# KiCad board mse-50-ce-panel.kicad_pcb (continued)
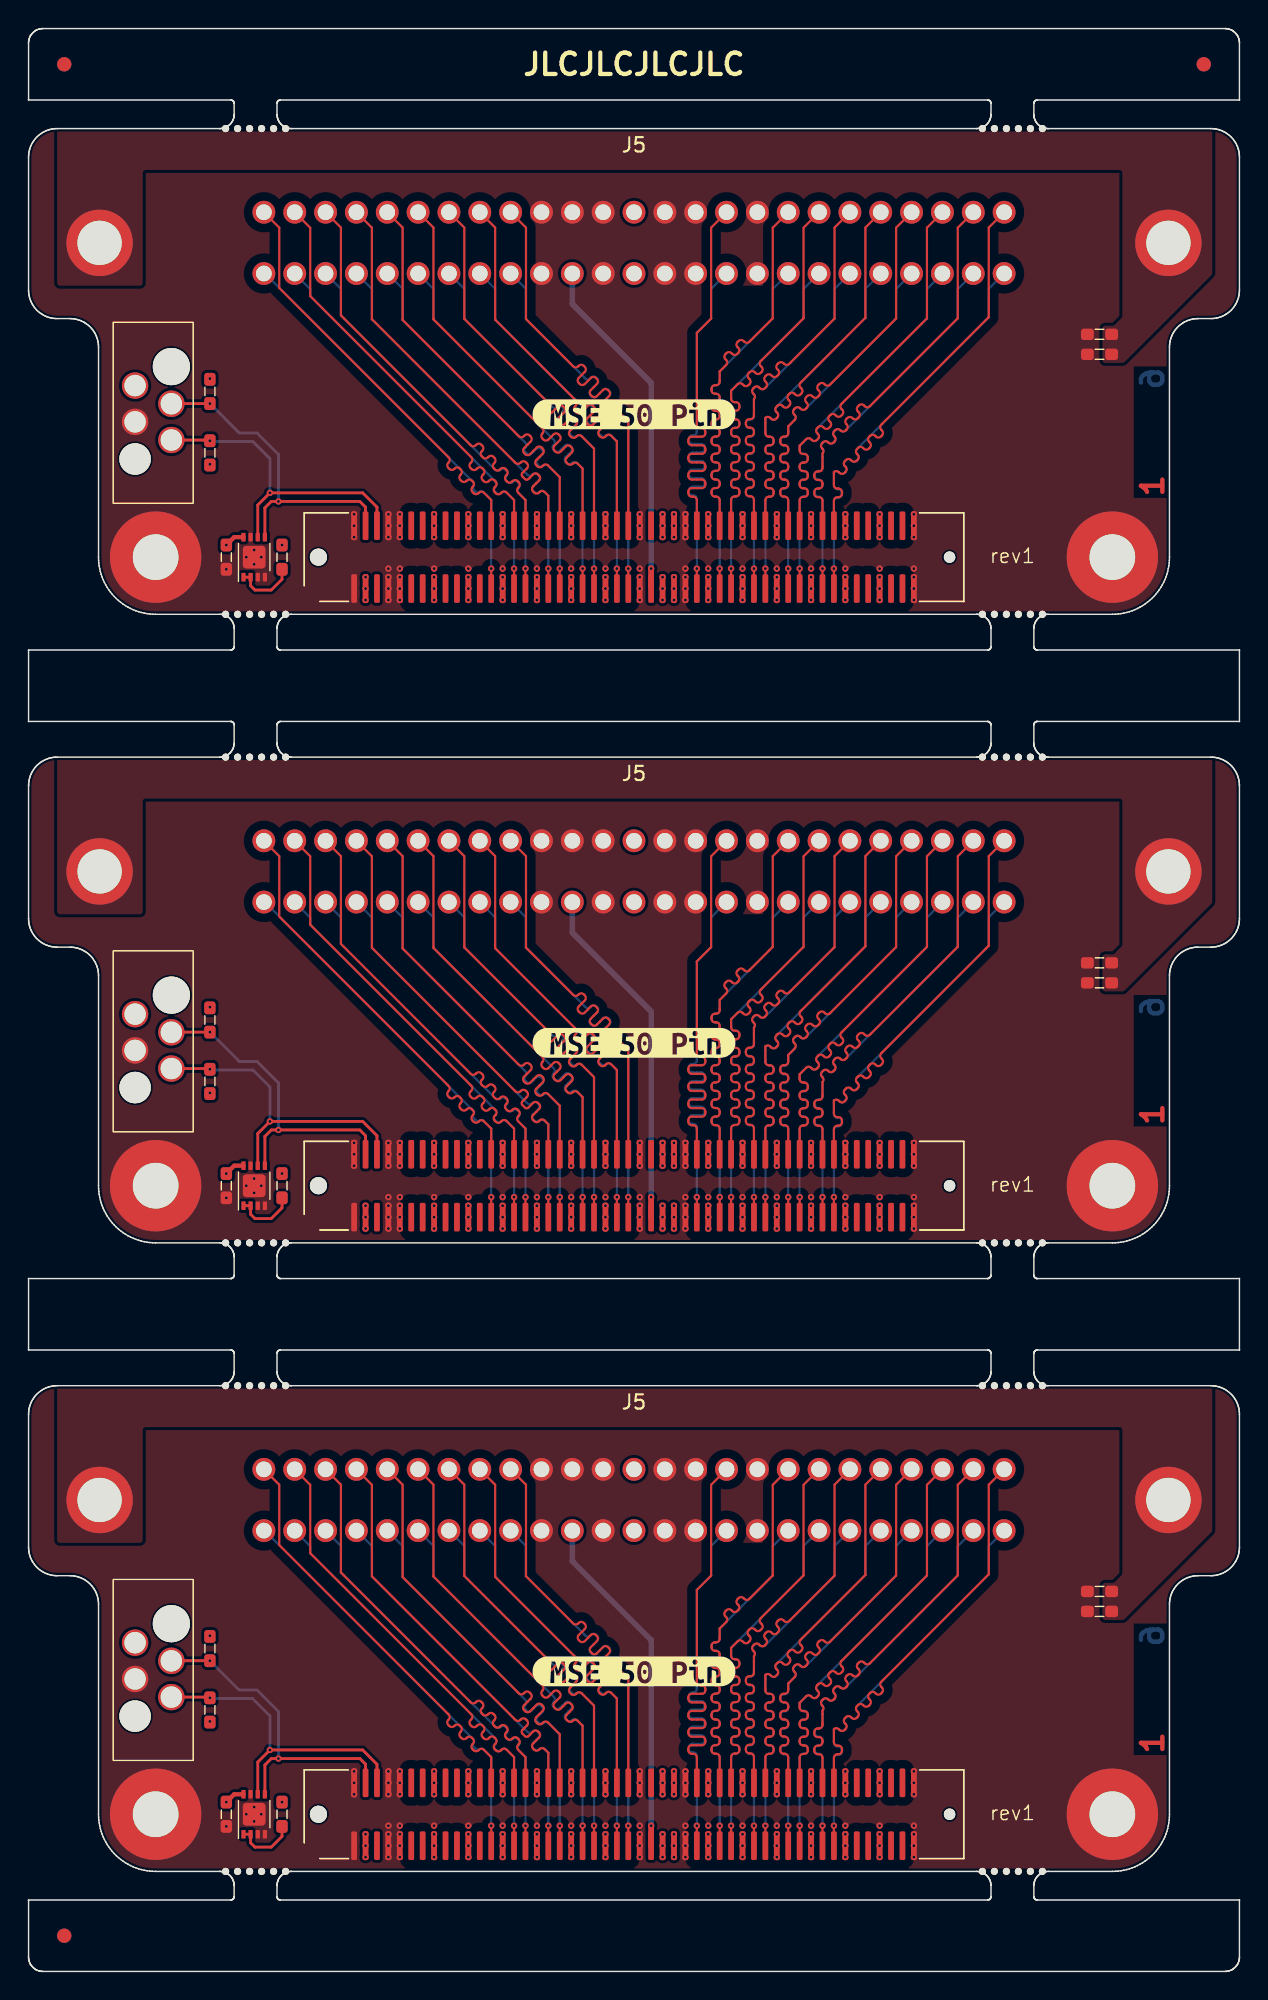
[diagram p0: board, top side]
## Routing (per net, layer and track width the routed paths; a pad name or vN(x,y) marks a point on that pad's centre or on a via; arc(x,y) is an arc through that point) (continued)
Board_1-/CON.SEL+: length 29.1
  Top w0.151: J1.77 v1(53.2,54.2)
  Bottom w0.151: J5#2.22 60.75,73.77 60.75,71.7 54.51,65.46 54.42,65.38 arc(54.25,65.3) 54.08,65.38 54.03,65.42 arc(53.86,65.49) 53.7,65.42 53.61,65.34 arc(53.54,65.17) 53.61,65 53.66,64.95 arc(53.73,64.78) 53.66,64.61 53.2,64.15 53.2,63.65 arc(53.13,63.48) 52.96,63.41 52.89,63.41 arc(52.72,63.34) 52.65,63.17 52.65,63.05 arc(52.72,62.88) 52.89,62.81 52.96,62.81 arc(53.13,62.74) 53.2,62.57 53.2,62.45 arc(53.13,62.28) 52.96,62.21 52.89,62.21 arc(52.72,62.14) 52.65,61.97 52.65,61.85 arc(52.72,61.68) 52.89,61.61 52.96,61.61 arc(53.13,61.54) 53.2,61.37 53.2,61.25 arc(53.13,61.08) 52.96,61.01 52.89,61.01 arc(52.72,60.94) 52.65,60.77 52.65,60.65 arc(52.72,60.48) 52.89,60.41 52.96,60.41 arc(53.13,60.34) 53.2,60.17 53.2,60.05 arc(53.13,59.88) 52.96,59.81 52.89,59.81 arc(52.72,59.74) 52.65,59.57 52.65,59.45 arc(52.72,59.28) 52.89,59.21 52.96,59.21 arc(53.13,59.14) 53.2,58.97 v1(53.2,54.2)
Board_1-/CON.SEL-: length 30.5
  Top w0.151: J5#2.47 60.76,78.06 60.76,71.71 56.12,67.07 arc(55.95,67) 55.78,67.07 55.72,67.13 arc(55.55,67.2) 55.38,67.13 55.3,67.04 arc(55.23,66.87) 55.3,66.71 55.36,66.65 arc(55.43,66.48) 55.36,66.31 55.27,66.22 arc(55.1,66.15) 54.93,66.22 54.88,66.28 arc(54.71,66.35) 54.54,66.28 54.45,66.2 arc(54.38,66.03) 54.45,65.86 54.51,65.8 arc(54.58,65.63) 54.51,65.46 54.42,65.38 arc(54.25,65.3) 54.08,65.38 54.03,65.43 arc(53.86,65.5) 53.69,65.43 53.6,65.35 arc(53.53,65.18) 53.6,65.01 53.66,64.95 arc(53.73,64.78) 53.66,64.61 53.2,64.15 53.2,63.68 arc(53.13,63.51) 52.96,63.44 52.88,63.44 arc(52.71,63.37) 52.64,63.2 52.64,63.08 arc(52.71,62.91) 52.88,62.84 52.96,62.84 arc(53.13,62.77) 53.2,62.6 53.2,62.48 arc(53.13,62.31) 52.96,62.24 52.88,62.24 arc(52.71,62.17) 52.64,62 52.64,61.88 arc(52.71,61.71) 52.88,61.64 52.96,61.64 arc(53.13,61.57) 53.2,61.4 53.2,61.28 arc(53.13,61.11) 52.96,61.04 52.88,61.04 arc(52.71,60.97) 52.64,60.8 52.64,60.68 arc(52.71,60.51) 52.88,60.44 52.96,60.44 arc(53.13,60.37) 53.2,60.2 53.2,60.08 arc(53.13,59.91) 52.96,59.84 52.88,59.84 arc(52.71,59.77) 52.64,59.6 52.64,59.48 arc(52.71,59.31) 52.88,59.24 52.96,59.24 arc(53.13,59.17) 53.2,59 J1.78
Board_1-/CON.TERMPWR:
  vias: v1(44.4,58) v1(44.4,57.2) v1(44.4,56.4) v1(44.4,53.6) v1(44.4,52.8) v1(44.4,52) v1(45.2,58) v1(45.2,57.2) v1(45.2,56.4) v1(45.2,53.6) v1(45.2,52.8) v1(45.2,52)
Board_1-/PHY.ID_SCL: length 22.5
  Top w0.2: U1.6 16.05,58.65 v1(16.9,59.5) 23.4,59.5 24.4,58.5 J1.6 ; J3.4 12.3,63.2 12.35,63.15 v1(12.7,63.15)
  Bottom w0.2: v1(16.9,59.5) 16.9,61.9 15.7,63.1 12.75,63.1 v1(12.7,63.15)
Board_1-/PHY.ID_SDA: length 23
  Top w0.2: J1.4 23.6,58.5 23.2,58.9 17,58.9 16.55,58.45 U1.5 ; J3.2 10.01,65.75 v1(12.7,65.75)
  Bottom w0.2: v1(17.5,58.9) 17.5,62.2 16,63.7 14.75,63.7 v1(12.7,65.75)
Board_1-GND:
  vias: v1(13.85,54.15) v1(15.25,55) v1(15.8,55.5) v1(15.8,54.5) v1(16.3,55) v1(22.8,58) v1(22.8,57.2) v1(22.8,56.4) v1(25.2,58) v1(25.2,57.2) v1(25.2,56.4) v1(25.2,54.2) v1(25.2,53.6) v1(25.2,52.8) v1(25.2,52) v1(26,58) v1(26,57.2) v1(26,56.4) v1(26,54.2) v1(26,53.6) v1(26,52.8) v1(26,52) v1(28.4,58) v1(28.4,57.2) v1(28.4,56.4) v1(28.4,54.2) v1(28.4,53.6) v1(28.4,52.8) v1(28.4,52) v1(30.8,58) v1(30.8,57.2) v1(30.8,56.4) v1(30.8,54.2) v1(30.8,53.6) v1(30.8,52.8) v1(30.8,52) v1(33.2,58) v1(33.2,57.2) v1(33.2,56.4) v1(33.2,54.2) v1(33.2,53.6) v1(33.2,52.8) v1(33.2,52) v1(35.6,58) v1(35.6,57.2) v1(35.6,56.4) v1(35.6,54.2) v1(35.6,53.6) v1(35.6,52.8) v1(35.6,52) v1(38,58) v1(38,57.2) v1(38,56.4) v1(38,54.2) v1(38,53.6) v1(38,52.8) v1(38,52) v1(40.4,58) v1(40.4,57.2) v1(40.4,56.4) v1(40.4,54.2) v1(40.4,53.6) v1(40.4,52.8) v1(40.4,52) v1(42.8,58) v1(42.8,57.2) v1(42.8,56.4) v1(42.8,54.2) v1(42.8,53.6) v1(42.8,52.8) v1(42.8,52) v1(46,58) v1(46,57.2) v1(46,56.4) v1(46,54.2) v1(46,53.6) v1(46,52.8) v1(46,52) v1(47.6,58) v1(47.6,57.2) v1(47.6,56.4) v1(47.6,54.2) v1(47.6,53.6) v1(47.6,52.8) v1(47.6,52) v1(50,58) v1(50,57.2) v1(50,56.4) v1(50,54.2) v1(50,53.6) v1(50,52.8) v1(50,52) v1(52.4,58) v1(52.4,57.2) v1(52.4,56.4) v1(52.4,54.2) v1(52.4,53.6) v1(52.4,52.8) v1(52.4,52) v1(54.8,58) v1(54.8,57.2) v1(54.8,56.4) v1(54.8,54.2) v1(54.8,53.6) v1(54.8,52.8) v1(54.8,52) v1(57.2,58) v1(57.2,57.2) v1(57.2,56.4) v1(57.2,54.2) v1(57.2,53.6) v1(57.2,52.8) v1(57.2,52) v1(59.6,58) v1(59.6,57.2) v1(59.6,56.4) v1(59.6,54.2) v1(59.6,53.6) v1(59.6,52.8) v1(59.6,52) v1(62,58) v1(62,57.2) v1(62,56.4) v1(62,54.2) v1(62,53.6) v1(62,52.8) v1(62,52)
Board_1-Net-(U1-E0): length 4.4
  Top w0.2: U1.1 U1.2 15.55,53 15.85,52.7 17,52.7 17.75,53.45 R1#3.1
Board_2-+3V3: length 1.4
  Top w0.3: U1#2.8 14.4,12.4 v1(13.85,11.85)
  vias: v1(12.7,23.5) v1(12.7,17.5) v1(17.75,11.85) v1(23.6,9.6) v1(23.6,8.8) v1(23.6,8)
Board_2-/CON.ACK+: length 29.1
  Top w0.151: J1#3.67 v1(49.2,10.2)
  Bottom w0.151: J5.19 54.28,29.77 54.28,27.73 49.2,22.65 49.2,22.1 arc(49.27,21.93) 49.44,21.86 49.54,21.86 arc(49.71,21.79) 49.78,21.62 49.78,21.5 arc(49.71,21.33) 49.54,21.26 49.44,21.26 arc(49.27,21.19) 49.2,21.02 49.2,20.9 arc(49.27,20.73) 49.44,20.66 49.54,20.66 arc(49.71,20.59) 49.78,20.42 49.78,20.3 arc(49.71,20.13) 49.54,20.06 49.44,20.06 arc(49.27,19.99) 49.2,19.82 49.2,19.7 arc(49.27,19.53) 49.44,19.46 49.54,19.46 arc(49.71,19.39) 49.78,19.22 49.78,19.1 arc(49.71,18.93) 49.54,18.86 49.44,18.86 arc(49.27,18.79) 49.2,18.62 49.2,18.5 arc(49.27,18.33) 49.44,18.26 49.54,18.26 arc(49.71,18.19) 49.78,18.02 49.78,17.9 arc(49.71,17.73) 49.54,17.66 49.44,17.66 arc(49.27,17.59) 49.2,17.42 49.2,17.3 arc(49.27,17.13) 49.44,17.06 49.54,17.06 arc(49.71,16.99) 49.78,16.82 49.78,16.7 arc(49.71,16.53) 49.54,16.46 49.44,16.46 arc(49.27,16.39) 49.2,16.22 49.2,16.1 arc(49.27,15.93) 49.44,15.86 49.54,15.86 arc(49.71,15.79) 49.78,15.62 49.78,15.5 arc(49.71,15.33) 49.54,15.26 49.44,15.26 arc(49.27,15.19) 49.2,15.02 v1(49.2,10.2)
Board_2-/CON.ACK-: length 30.5
  Top w0.151: J5.44 54.28,34.06 54.28,27.73 51.27,24.72 arc(51.2,24.55) 51.27,24.38 51.34,24.31 arc(51.41,24.14) 51.34,23.97 51.26,23.89 arc(51.09,23.82) 50.92,23.89 50.85,23.96 arc(50.68,24.03) 50.51,23.96 50.42,23.87 arc(50.35,23.7) 50.42,23.53 50.49,23.46 arc(50.56,23.29) 50.49,23.12 50.41,23.04 arc(50.24,22.97) 50.07,23.04 50,23.11 arc(49.83,23.18) 49.66,23.11 49.2,22.65 49.2,22.09 arc(49.27,21.92) 49.44,21.85 49.54,21.85 arc(49.71,21.78) 49.78,21.61 49.78,21.49 arc(49.71,21.32) 49.54,21.25 49.44,21.25 arc(49.27,21.18) 49.2,21.01 49.2,20.89 arc(49.27,20.72) 49.44,20.65 49.54,20.65 arc(49.71,20.58) 49.78,20.41 49.78,20.29 arc(49.71,20.12) 49.54,20.05 49.44,20.05 arc(49.27,19.98) 49.2,19.81 49.2,19.69 arc(49.27,19.52) 49.44,19.45 49.54,19.45 arc(49.71,19.38) 49.78,19.21 49.78,19.09 arc(49.71,18.92) 49.54,18.85 49.44,18.85 arc(49.27,18.78) 49.2,18.61 49.2,18.49 arc(49.27,18.32) 49.44,18.25 49.54,18.25 arc(49.71,18.18) 49.78,18.01 49.78,17.89 arc(49.71,17.72) 49.54,17.65 49.44,17.65 arc(49.27,17.58) 49.2,17.41 49.2,17.29 arc(49.27,17.12) 49.44,17.05 49.54,17.05 arc(49.71,16.98) 49.78,16.81 49.78,16.69 arc(49.71,16.52) 49.54,16.45 49.44,16.45 arc(49.27,16.38) 49.2,16.21 49.2,16.09 arc(49.27,15.92) 49.44,15.85 49.54,15.85 arc(49.71,15.78) 49.78,15.61 49.78,15.49 arc(49.71,15.32) 49.54,15.25 49.44,15.25 arc(49.27,15.18) 49.2,15.01 J1#3.68
Board_2-/CON.ATN+: length 29.1
  Top w0.151: J1#3.61 v1(46.8,10.2)
  Bottom w0.151: J5.16 47.8,29.78 47.8,27.7 46.8,26.7 46.8,19.77 arc(46.73,19.6) 46.56,19.53 46.48,19.53 arc(46.31,19.46) 46.24,19.29 46.24,19.17 arc(46.31,19) 46.48,18.93 47.12,18.93 arc(47.29,18.86) 47.36,18.69 47.36,18.57 arc(47.29,18.4) 47.12,18.33 46.48,18.33 arc(46.31,18.26) 46.24,18.09 46.24,17.97 arc(46.31,17.8) 46.48,17.73 47.12,17.73 arc(47.29,17.66) 47.36,17.49 47.36,17.37 arc(47.29,17.2) 47.12,17.13 46.48,17.13 arc(46.31,17.06) 46.24,16.89 46.24,16.77 arc(46.31,16.6) 46.48,16.53 47.12,16.53 arc(47.29,16.46) 47.36,16.29 47.36,16.17 arc(47.29,16) 47.12,15.93 46.48,15.93 arc(46.31,15.86) 46.24,15.69 46.24,15.57 arc(46.31,15.4) 46.48,15.33 46.56,15.33 arc(46.73,15.26) 46.8,15.09 v1(46.8,10.2)
Board_2-/CON.ATN-: length 30.5
  Top w0.151: J5.41 47.8,34.07 47.8,27.7 46.8,26.7 46.8,20.27 arc(46.87,20.1) 47.04,20.03 47.16,20.03 arc(47.33,19.96) 47.4,19.79 47.4,19.67 arc(47.33,19.5) 47.16,19.43 46.44,19.43 arc(46.27,19.36) 46.2,19.19 46.2,19.07 arc(46.27,18.9) 46.44,18.83 47.16,18.83 arc(47.33,18.76) 47.4,18.59 47.4,18.47 arc(47.33,18.3) 47.16,18.23 46.44,18.23 arc(46.27,18.16) 46.2,17.99 46.2,17.87 arc(46.27,17.7) 46.44,17.63 47.16,17.63 arc(47.33,17.56) 47.4,17.39 47.4,17.27 arc(47.33,17.1) 47.16,17.03 46.44,17.03 arc(46.27,16.96) 46.2,16.79 46.2,16.67 arc(46.27,16.5) 46.44,16.43 47.16,16.43 arc(47.33,16.36) 47.4,16.19 47.4,16.07 arc(47.33,15.9) 47.16,15.83 46.44,15.83 arc(46.27,15.76) 46.2,15.59 46.2,15.47 arc(46.27,15.3) 46.44,15.23 46.56,15.23 arc(46.73,15.16) 46.8,14.99 J1#3.62
Board_2-/CON.BSY+: length 29.1
  Top w0.151: J1#3.65 v1(48.4,10.2)
  Bottom w0.151: J5.18 52.11,29.77 52.11,27.71 48.4,24 48.4,23.28 arc(48.33,23.11) 48.16,23.04 48.07,23.04 arc(47.91,22.97) 47.83,22.8 47.83,22.68 arc(47.91,22.51) 48.07,22.44 48.16,22.44 arc(48.33,22.37) 48.4,22.2 48.4,22.08 arc(48.33,21.91) 48.16,21.84 48.07,21.84 arc(47.91,21.77) 47.83,21.6 47.83,21.48 arc(47.91,21.31) 48.07,21.24 48.16,21.24 arc(48.33,21.17) 48.4,21 48.4,20.88 arc(48.33,20.71) 48.16,20.64 48.07,20.64 arc(47.91,20.57) 47.83,20.4 47.83,20.28 arc(47.91,20.11) 48.07,20.04 48.16,20.04 arc(48.33,19.97) 48.4,19.8 48.4,19.68 arc(48.33,19.51) 48.16,19.44 48.07,19.44 arc(47.91,19.37) 47.83,19.2 47.83,19.08 arc(47.91,18.91) 48.07,18.84 48.16,18.84 arc(48.33,18.77) 48.4,18.6 48.4,18.48 arc(48.33,18.31) 48.16,18.24 48.07,18.24 arc(47.91,18.17) 47.83,18 47.83,17.88 arc(47.91,17.71) 48.07,17.64 48.16,17.64 arc(48.33,17.57) 48.4,17.4 48.4,17.28 arc(48.33,17.11) 48.16,17.04 48.07,17.04 arc(47.91,16.97) 47.83,16.8 47.83,16.68 arc(47.91,16.51) 48.07,16.44 48.16,16.44 arc(48.33,16.37) 48.4,16.2 48.4,16.08 arc(48.33,15.91) 48.16,15.84 48.07,15.84 arc(47.91,15.77) 47.83,15.6 47.83,15.48 arc(47.91,15.31) 48.07,15.24 48.16,15.24 arc(48.33,15.17) 48.4,15 v1(48.4,10.2)
Board_2-/CON.BSY-: length 30.5
  Top w0.151: J5.43 52.12,34.06 52.12,27.72 50.47,26.07 arc(50.3,26) 50.13,26.07 50.07,26.14 arc(49.9,26.21) 49.73,26.14 49.64,26.05 arc(49.57,25.88) 49.64,25.71 49.71,25.65 arc(49.78,25.48) 49.71,25.31 49.62,25.23 arc(49.45,25.15) 49.28,25.23 49.22,25.29 arc(49.05,25.36) 48.88,25.29 48.8,25.2 arc(48.73,25.03) 48.8,24.86 48.86,24.8 arc(48.93,24.63) 48.86,24.46 48.4,24 48.4,23.28 arc(48.33,23.11) 48.16,23.04 48.07,23.04 arc(47.9,22.97) 47.83,22.8 47.83,22.68 arc(47.9,22.51) 48.07,22.44 48.16,22.44 arc(48.33,22.37) 48.4,22.2 48.4,22.08 arc(48.33,21.91) 48.16,21.84 48.07,21.84 arc(47.9,21.77) 47.83,21.6 47.83,21.48 arc(47.9,21.31) 48.07,21.24 48.16,21.24 arc(48.33,21.17) 48.4,21 48.4,20.88 arc(48.33,20.71) 48.16,20.64 48.07,20.64 arc(47.9,20.57) 47.83,20.4 47.83,20.28 arc(47.9,20.11) 48.07,20.04 48.16,20.04 arc(48.33,19.97) 48.4,19.8 48.4,19.68 arc(48.33,19.51) 48.16,19.44 48.07,19.44 arc(47.9,19.37) 47.83,19.2 47.83,19.08 arc(47.9,18.91) 48.07,18.84 48.16,18.84 arc(48.33,18.77) 48.4,18.6 48.4,18.48 arc(48.33,18.31) 48.16,18.24 48.07,18.24 arc(47.9,18.17) 47.83,18 47.83,17.88 arc(47.9,17.71) 48.07,17.64 48.16,17.64 arc(48.33,17.57) 48.4,17.4 48.4,17.28 arc(48.33,17.11) 48.16,17.04 48.07,17.04 arc(47.9,16.97) 47.83,16.8 47.83,16.68 arc(47.9,16.51) 48.07,16.44 48.16,16.44 arc(48.33,16.37) 48.4,16.2 48.4,16.08 arc(48.33,15.91) 48.16,15.84 48.07,15.84 arc(47.9,15.77) 47.83,15.6 47.83,15.48 arc(47.9,15.31) 48.07,15.24 48.16,15.24 arc(48.33,15.17) 48.4,15 J1#3.66
Board_2-/CON.C/D+: length 29.1
  Top w0.151: J1#3.79 v1(54,10.2)
  Bottom w0.151: J5.23 62.93,29.78 62.93,27.73 55.31,20.11 55.22,20.03 arc(55.15,19.86) 55.22,19.69 55.28,19.63 arc(55.35,19.46) 55.28,19.29 55.2,19.2 arc(55.03,19.13) 54.86,19.2 54.8,19.26 arc(54.63,19.33) 54.46,19.26 54,18.8 54,18.48 arc(54.07,18.31) 54.24,18.24 54.33,18.24 arc(54.49,18.17) 54.57,18 54.57,17.88 arc(54.49,17.71) 54.33,17.64 54.24,17.64 arc(54.07,17.57) 54,17.4 54,17.28 arc(54.07,17.11) 54.24,17.04 54.33,17.04 arc(54.49,16.97) 54.57,16.8 54.57,16.68 arc(54.49,16.51) 54.33,16.44 54.24,16.44 arc(54.07,16.37) 54,16.2 54,16.08 arc(54.07,15.91) 54.24,15.84 54.33,15.84 arc(54.49,15.77) 54.57,15.6 54.57,15.48 arc(54.49,15.31) 54.33,15.24 54.24,15.24 arc(54.07,15.17) 54,15 v1(54,10.2)
Board_2-/CON.C/D-: length 30.5
  Top w0.151: J1#3.80 54,14.98 arc(54.07,15.15) 54.24,15.22 54.33,15.22 arc(54.5,15.29) 54.57,15.46 54.57,15.58 arc(54.5,15.75) 54.33,15.82 54.24,15.82 arc(54.07,15.89) 54,16.06 54,16.18 arc(54.07,16.35) 54.24,16.42 54.33,16.42 arc(54.5,16.49) 54.57,16.66 54.57,16.78 arc(54.5,16.95) 54.33,17.02 54.24,17.02 arc(54.07,17.09) 54,17.26 54,17.38 arc(54.07,17.55) 54.24,17.62 54.33,17.62 arc(54.5,17.69) 54.57,17.86 54.57,17.98 arc(54.5,18.15) 54.33,18.22 54.24,18.22 arc(54.07,18.29) 54,18.46 54,18.8 54.46,19.26 arc(54.63,19.33) 54.8,19.26 54.86,19.2 arc(55.03,19.13) 55.2,19.2 55.29,19.28 arc(55.36,19.45) 55.29,19.62 55.22,19.69 arc(55.15,19.86) 55.22,20.03 55.31,20.11 arc(55.48,20.18) 55.65,20.11 55.71,20.04 arc(55.88,19.97) 56.05,20.04 56.14,20.13 arc(56.21,20.3) 56.14,20.47 56.07,20.53 arc(56,20.7) 56.07,20.87 56.16,20.96 arc(56.33,21.03) 56.5,20.96 56.56,20.89 arc(56.73,20.82) 56.9,20.89 56.99,20.98 arc(57.06,21.15) 56.99,21.32 56.92,21.38 arc(56.85,21.55) 56.92,21.72 57.01,21.81 62.92,27.72 62.92,34.06 J5.48
Board_2-/CON.DB0+: length 29.1
  Top w0.151: J1#3.25 v1(32.4,10.2)
  Bottom w0.151: J5.1 16.55,30.86 31.16,16.24 arc(31.21,16.12) 31.16,15.99 arc(31.11,15.87) 31.16,15.75 31.34,15.57 arc(31.46,15.52) 31.58,15.57 arc(31.71,15.62) 31.83,15.57 32.4,15 v1(32.4,10.2)
Board_2-/CON.DB0-: length 30.5
  Top w0.151: J5.26 17.56,34.07 17.56,29.85 29.43,17.98 arc(29.5,17.81) 29.43,17.64 29.39,17.6 arc(29.32,17.43) 29.39,17.26 29.47,17.18 arc(29.64,17.11) 29.81,17.18 29.85,17.21 arc(30.02,17.28) 30.19,17.21 30.27,17.13 arc(30.34,16.96) 30.27,16.79 30.24,16.75 arc(30.17,16.58) 30.24,16.41 30.32,16.33 arc(30.49,16.26) 30.66,16.33 30.7,16.36 arc(30.87,16.43) 31.04,16.36 31.12,16.28 arc(31.19,16.11) 31.12,15.94 31.09,15.9 arc(31.02,15.73) 31.09,15.56 31.17,15.48 arc(31.34,15.41) 31.51,15.48 31.55,15.52 arc(31.72,15.59) 31.89,15.52 32.4,15 J1#3.26
Board_2-/CON.DB1+: length 29.1
  Top w0.151: J1#3.29 v1(34,10.2)
  Bottom w0.151: v1(34,10.2) 34,15 33.47,15.53 arc(33.3,15.6) 33.13,15.53 33.1,15.49 arc(32.93,15.42) 32.76,15.49 32.67,15.58 arc(32.6,15.75) 32.67,15.92 32.71,15.95 arc(32.78,16.12) 32.71,16.29 19.73,29.28 19.73,29.77 J5.2
Board_2-/CON.DB1-: length 30.5
  Top w0.151: J1#3.30 34,15 33.47,15.53 arc(33.3,15.6) 33.13,15.53 33.07,15.47 arc(32.9,15.4) 32.73,15.47 32.64,15.55 arc(32.57,15.72) 32.64,15.89 32.71,15.96 arc(32.78,16.13) 32.71,16.29 32.62,16.38 arc(32.45,16.45) 32.28,16.38 32.22,16.32 arc(32.05,16.25) 31.88,16.32 31.8,16.4 arc(31.73,16.57) 31.8,16.74 31.86,16.8 arc(31.93,16.97) 31.86,17.14 31.77,17.23 arc(31.6,17.3) 31.43,17.23 31.37,17.16 arc(31.2,17.09) 31.03,17.16 30.95,17.25 arc(30.88,17.42) 30.95,17.59 31.01,17.65 arc(31.08,17.82) 31.01,17.99 19.72,29.28 19.72,34.06 J5.27
Board_2-/CON.DB2+: length 29.1
  Top w0.151: J1#3.31 v1(34.8,10.2)
  Bottom w0.151: J5.3 21.88,29.78 21.88,27.93 32.7,17.1 arc(32.87,17.03) 33.04,17.1 33.06,17.13 arc(33.23,17.2) 33.4,17.13 33.48,17.04 arc(33.55,16.87) 33.48,16.7 33.46,16.68 arc(33.39,16.51) 33.46,16.34 33.55,16.26 arc(33.72,16.19) 33.89,16.26 33.91,16.28 arc(34.08,16.35) 34.25,16.28 34.33,16.19 arc(34.4,16.02) 34.33,15.85 34.31,15.83 arc(34.24,15.66) 34.31,15.49 34.8,15 v1(34.8,10.2)
Board_2-/CON.DB2-: length 30.5
  Top w0.151: J1#3.32 34.8,15 34.28,15.52 arc(34.21,15.69) 34.28,15.86 34.33,15.91 arc(34.4,16.08) 34.33,16.25 34.25,16.33 arc(34.08,16.4) 33.91,16.33 33.86,16.28 arc(33.69,16.21) 33.52,16.28 33.43,16.37 arc(33.36,16.54) 33.43,16.71 33.48,16.76 arc(33.55,16.93) 33.48,17.1 33.4,17.18 arc(33.23,17.25) 33.06,17.18 33.01,17.13 arc(32.84,17.06) 32.67,17.13 32.58,17.22 arc(32.51,17.39) 32.58,17.56 32.63,17.61 arc(32.7,17.78) 32.63,17.95 32.55,18.03 arc(32.38,18.1) 32.21,18.03 32.16,17.98 arc(31.99,17.91) 31.82,17.98 31.74,18.07 arc(31.67,18.24) 31.74,18.41 31.78,18.45 arc(31.86,18.62) 31.78,18.79 31.7,18.88 arc(31.53,18.95) 31.36,18.88 31.31,18.83 arc(31.14,18.76) 30.97,18.83 21.88,27.93 21.88,34.07 J5.28
Board_2-/CON.DB3+: length 29.1
  Top w0.151: J1#3.35 v1(36.4,10.2)
  Bottom w0.151: v1(36.4,10.2) 36.4,15.3 36.12,15.58 arc(35.95,15.66) 35.78,15.58 35.75,15.56 arc(35.58,15.49) 35.41,15.56 35.33,15.64 arc(35.26,15.81) 35.33,15.98 35.72,16.37 arc(35.79,16.54) 35.72,16.71 35.63,16.8 arc(35.46,16.87) 35.29,16.8 35.27,16.77 arc(35.1,16.7) 34.93,16.77 34.84,16.86 24.05,27.65 24.05,29.77 J5.4
Board_2-/CON.DB3-: length 30.5
  Top w0.151: J1#3.36 36.4,15.3 36.14,15.57 arc(35.97,15.64) 35.8,15.57 35.75,15.52 arc(35.58,15.45) 35.41,15.52 35.33,15.6 arc(35.26,15.77) 35.33,15.94 35.76,16.38 arc(35.83,16.55) 35.76,16.72 35.67,16.8 arc(35.51,16.87) 35.34,16.8 35,16.47 arc(34.88,16.42) 34.77,16.47 34.58,16.66 arc(34.53,16.77) 34.58,16.89 34.91,17.22 arc(34.98,17.39) 34.91,17.56 34.83,17.65 arc(34.66,17.72) 34.49,17.65 34.44,17.6 arc(34.27,17.53) 34.1,17.6 24.04,27.66 24.04,34.06 J5.29
Board_2-/CON.DB4+: length 29.1
  Top w0.151: J1#3.37 v1(37.2,10.2)
  Bottom w0.151: J5.5 26.2,29.78 26.2,27.6 34.8,19.01 arc(34.86,18.84) 34.8,18.67 arc(34.73,18.51) 34.8,18.34 34.89,18.25 arc(35.05,18.18) 35.22,18.25 35.55,18.58 arc(35.72,18.65) 35.88,18.58 35.98,18.49 arc(36.05,18.32) 35.98,18.16 35.64,17.83 arc(35.58,17.66) 35.64,17.49 35.74,17.4 arc(35.91,17.33) 36.07,17.4 arc(36.24,17.47) 36.4,17.4 37.2,16.6 v1(37.2,10.2)
Board_2-/CON.DB4-: length 30.5
  Top w0.151: J1#3.38 37.2,16.6 36.38,17.43 arc(36.21,17.5) 36.04,17.43 35.97,17.36 arc(35.8,17.29) 35.63,17.36 35.55,17.45 arc(35.48,17.62) 35.55,17.79 36.02,18.25 arc(36.09,18.42) 36.02,18.59 35.93,18.68 arc(35.76,18.75) 35.59,18.68 35.12,18.21 arc(34.95,18.14) 34.78,18.21 34.7,18.29 arc(34.63,18.46) 34.7,18.63 35.17,19.1 arc(35.24,19.27) 35.17,19.44 35.08,19.53 arc(34.91,19.6) 34.74,19.53 34.68,19.46 arc(34.51,19.39) 34.34,19.46 26.2,27.61 26.2,34.07 J5.30
Board_2-/CON.DB5+: length 29.1
  Top w0.151: J1#3.41 v1(38.8,10.2)
  Bottom w0.151: J5.6 28.35,29.79 28.35,27.65 36.79,19.21 arc(36.86,19.04) 36.79,18.87 36.77,18.85 arc(36.7,18.68) 36.77,18.51 36.85,18.43 arc(37.02,18.36) 37.19,18.43 37.57,18.81 arc(37.74,18.88) 37.91,18.81 38,18.73 arc(38.07,18.56) 38,18.39 37.62,18 arc(37.54,17.83) 37.62,17.66 37.7,17.58 arc(37.87,17.51) 38.04,17.58 38.06,17.6 arc(38.23,17.67) 38.4,17.6 38.8,17.2 v1(38.8,10.2)
Board_2-/CON.DB5-: length 30.5
  Top w0.151: J1#3.42 38.8,17.2 38.45,17.55 arc(38.28,17.62) 38.11,17.55 38.1,17.53 arc(37.93,17.46) 37.76,17.53 37.67,17.62 arc(37.6,17.79) 37.67,17.96 38.04,18.33 arc(38.11,18.5) 38.04,18.67 37.96,18.75 arc(37.79,18.82) 37.62,18.75 37.25,18.38 arc(37.08,18.31) 36.91,18.38 36.83,18.47 arc(36.76,18.64) 36.83,18.81 37.2,19.18 arc(37.27,19.35) 37.2,19.52 37.11,19.6 arc(36.94,19.67) 36.77,19.6 36.4,19.23 arc(36.23,19.16) 36.06,19.23 35.98,19.32 arc(35.91,19.49) 35.98,19.66 35.99,19.67 arc(36.06,19.84) 35.99,20.01 28.36,27.65 28.36,34.07 J5.31
Board_2-/CON.DB6+: length 29.1
  Top w0.151: J1#3.43 v1(39.6,10.2)
  Bottom w0.151: v1(39.6,10.2) 39.6,18.6 38.72,19.48 arc(38.55,19.55) 38.38,19.48 arc(38.21,19.41) 38.04,19.48 37.96,19.57 arc(37.89,19.74) 37.96,19.91 38.3,20.25 arc(38.37,20.41) 38.3,20.58 38.21,20.67 arc(38.04,20.74) 37.87,20.67 37.53,20.33 arc(37.36,20.26) 37.19,20.33 37.11,20.42 arc(37.04,20.59) 37.11,20.75 37.45,21.09 arc(37.52,21.26) 37.45,21.43 37.36,21.52 arc(37.19,21.59) 37.02,21.52 arc(36.85,21.45) 36.68,21.52 30.53,27.68 30.53,29.77 J5.7
Board_2-/CON.DB6-: length 30.5
  Top w0.151: J5.32 30.52,34.07 30.52,27.69 36.18,22.02 36.27,21.93 arc(36.34,21.76) 36.27,21.59 36.21,21.54 arc(36.14,21.37) 36.21,21.2 36.3,21.12 arc(36.47,21.04) 36.64,21.12 37.09,21.56 arc(37.26,21.63) 37.43,21.56 37.51,21.48 arc(37.58,21.31) 37.51,21.14 37.06,20.69 arc(36.99,20.52) 37.06,20.35 37.15,20.27 arc(37.32,20.2) 37.49,20.27 37.94,20.72 arc(38.11,20.79) 38.27,20.72 38.36,20.63 arc(38.43,20.46) 38.36,20.29 37.91,19.84 arc(37.84,19.67) 37.91,19.5 38,19.42 arc(38.17,19.35) 38.34,19.42 38.39,19.47 arc(38.56,19.54) 38.73,19.47 39.6,18.6 J1#3.44
Board_2-/CON.DB7+: length 29.1
  Top w0.151: J1#3.47 v1(41.2,10.2)
  Bottom w0.151: J5.8 32.68,29.78 32.68,27.63 38.66,21.64 38.75,21.55 arc(38.92,21.48) 39.09,21.55 39.11,21.57 arc(39.28,21.64) 39.45,21.57 39.53,21.49 arc(39.6,21.32) 39.53,21.15 39.15,20.77 arc(39.08,20.6) 39.15,20.43 39.24,20.35 arc(39.41,20.28) 39.58,20.35 39.96,20.73 arc(40.13,20.8) 40.3,20.73 40.38,20.64 arc(40.45,20.47) 40.38,20.3 40,19.92 arc(39.93,19.75) 40,19.58 40.09,19.5 arc(40.26,19.43) 40.43,19.5 40.45,19.52 arc(40.61,19.59) 40.78,19.52 41.2,19.1 v1(41.2,10.2)
Board_2-/CON.DB7-: length 30.5
  Top w0.151: J5.33 32.68,34.07 32.68,27.63 38.34,21.97 arc(38.41,21.8) 38.34,21.63 38.26,21.56 arc(38.19,21.39) 38.26,21.22 38.35,21.13 arc(38.52,21.06) 38.69,21.13 39.17,21.61 arc(39.34,21.68) 39.51,21.61 39.59,21.53 arc(39.67,21.36) 39.59,21.19 39.11,20.71 arc(39.04,20.54) 39.11,20.37 39.2,20.28 arc(39.37,20.21) 39.54,20.28 40.02,20.76 arc(40.19,20.83) 40.36,20.76 40.44,20.68 arc(40.51,20.51) 40.44,20.34 39.96,19.86 arc(39.89,19.69) 39.96,19.52 40.05,19.43 arc(40.22,19.36) 40.39,19.43 40.46,19.51 arc(40.63,19.58) 40.8,19.51 41.2,19.1 J1#3.48
Board_2-/CON.DIFFSENSE: length 24.3
  Top w0.4: J1#3.53 v1(43.6,10.2)
  Bottom w0.4: v1(43.6,10.2) 43.6,23.2 38.08,28.72 J5.11
Board_2-/CON.DP0+: length 29.1
  Top w0.151: J1#3.49 v1(42,10.2)
  Bottom w0.151: v1(42,10.2) 42,20.5 41.03,21.47 arc(40.86,21.54) 40.69,21.47 40.62,21.4 arc(40.45,21.33) 40.28,21.4 40.2,21.49 arc(40.13,21.65) 40.2,21.82 40.68,22.3 arc(40.75,22.47) 40.68,22.64 40.59,22.73 arc(40.42,22.8) 40.25,22.73 39.77,22.25 arc(39.6,22.18) 39.43,22.25 39.35,22.33 arc(39.28,22.5) 39.35,22.67 39.83,23.15 arc(39.9,23.32) 39.83,23.49 39.74,23.58 arc(39.57,23.65) 39.4,23.58 39.33,23.51 arc(39.17,23.44) 39,23.51 34.83,27.68 34.83,29.79 J5.9
Board_2-/CON.DP0-: length 30.5
  Top w0.151: J1#3.50 42,20.5 41.03,21.47 arc(40.86,21.54) 40.69,21.47 40.65,21.42 arc(40.48,21.35) 40.31,21.42 40.22,21.51 arc(40.15,21.68) 40.22,21.85 40.66,22.28 arc(40.73,22.45) 40.66,22.62 40.57,22.7 arc(40.4,22.78) 40.23,22.7 39.8,22.27 arc(39.63,22.2) 39.46,22.27 39.37,22.35 arc(39.3,22.52) 39.37,22.69 39.81,23.13 arc(39.88,23.3) 39.81,23.47 39.72,23.55 arc(39.55,23.62) 39.38,23.55 38.95,23.12 arc(38.78,23.05) 38.61,23.12 38.52,23.2 arc(38.45,23.37) 38.52,23.54 38.96,23.98 arc(39.03,24.15) 38.96,24.32 38.87,24.4 arc(38.71,24.47) 38.54,24.4 38.49,24.35 arc(38.32,24.28) 38.15,24.35 34.84,27.67 34.84,34.07 J5.34
Board_2-/CON.I/O+: length 29.1
  Top w0.151: J1#3.85 v1(56.4,10.2)
  Bottom w0.151: v1(56.4,10.2) 56.4,14.91 arc(56.47,15.08) 56.64,15.15 56.71,15.15 arc(56.88,15.23) 56.95,15.39 56.95,15.51 arc(56.88,15.68) 56.71,15.75 56.64,15.75 arc(56.47,15.83) 56.4,15.99 56.4,16.95 arc(56.57,17.02) 56.74,16.95 56.79,16.9 arc(56.96,16.83) 57.13,16.9 57.21,16.99 arc(57.29,17.16) 57.21,17.33 57.16,17.38 arc(57.09,17.55) 57.16,17.72 57.25,17.8 arc(57.42,17.87) 57.59,17.8 57.64,17.75 arc(57.81,17.68) 57.98,17.75 58.06,17.83 arc(58.13,18) 58.06,18.17 58.01,18.22 arc(57.94,18.39) 58.01,18.56 58.1,18.65 67.25,27.8 67.25,29.79 J5.25
Board_2-/CON.I/O-: length 30.5
  Top w0.151: J1#3.86 56.4,14.96 arc(56.47,15.13) 56.64,15.2 56.73,15.2 arc(56.9,15.27) 56.97,15.44 56.97,15.56 arc(56.9,15.73) 56.73,15.8 56.64,15.8 arc(56.47,15.87) 56.4,16.04 56.4,16.96 arc(56.57,17.03) 56.74,16.96 56.8,16.9 arc(56.97,16.83) 57.14,16.9 57.22,16.98 arc(57.3,17.15) 57.22,17.32 57.16,17.38 arc(57.09,17.55) 57.16,17.72 57.25,17.81 arc(57.42,17.88) 57.59,17.81 57.65,17.74 arc(57.82,17.67) 57.99,17.74 58.07,17.83 arc(58.14,18) 58.07,18.17 58.01,18.23 arc(57.94,18.4) 58.01,18.57 58.1,18.65 arc(58.27,18.73) 58.44,18.65 58.5,18.59 arc(58.67,18.52) 58.84,18.59 58.92,18.68 arc(58.99,18.85) 58.92,19.02 58.86,19.08 arc(58.79,19.25) 58.86,19.42 58.95,19.5 arc(59.12,19.57) 59.28,19.5 59.35,19.44 arc(59.52,19.37) 59.69,19.44 59.77,19.53 arc(59.84,19.7) 59.77,19.87 59.71,19.93 arc(59.64,20.1) 59.71,20.27 59.79,20.35 67.24,27.8 67.24,34.07 J5.50
